# Allegro board RK3588_Template_LP4XD200P232SD10_32R6X52R0_2133MHz_H0R80_V10_20230220.brd (continued)
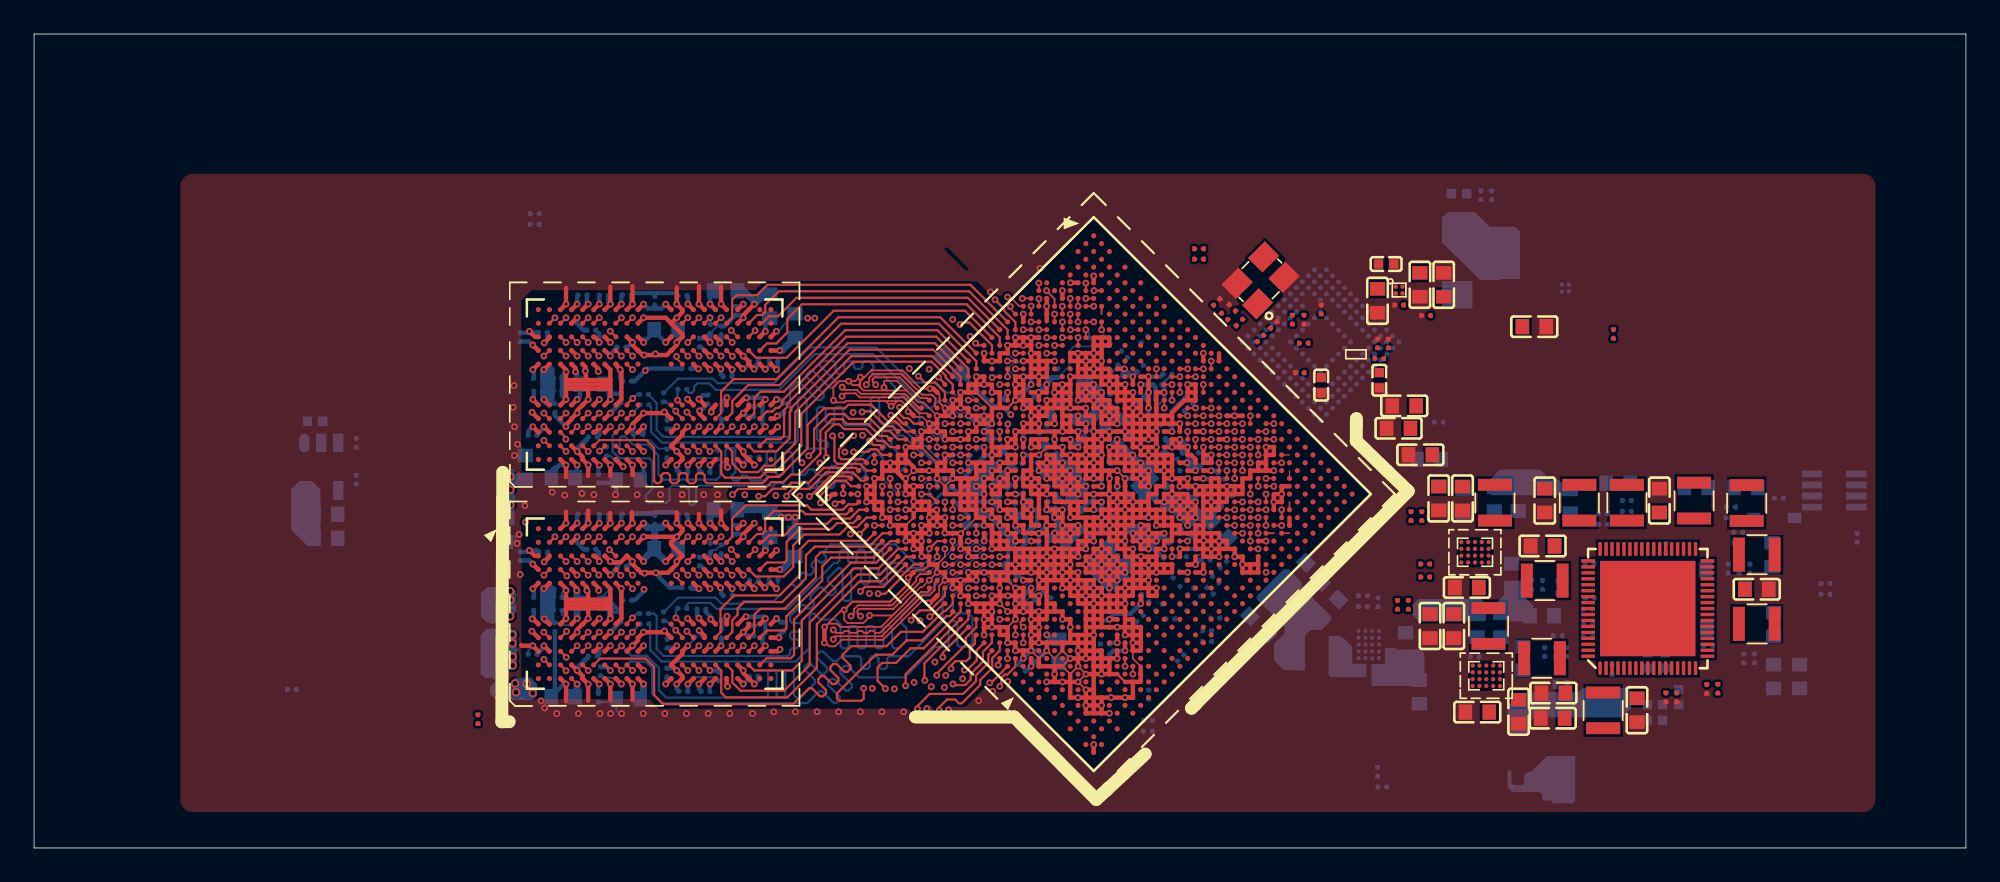
[diagram p0: board, top side]
## Routing (per net, layer and track width the routed paths; a pad name or vN(x,y) marks a point on that pad's centre or on a via; arc(x,y) is an arc through that point) (continued)
  L4-S1 w0.254: v1(57.14,12.05) 56.68,12.05 56.67,12.05
  L5-GND2 w0.089: v1(58.97,27.67) 58.97,28.59 v1(58.51,29.05)
  L5-GND2 w0.254: 56.26,8.76 v1(56.26,9.2)
  L6-S2 w0.084: v1(33.21,7.89) 32.83,7.5 31.03,7.5 30.67,7.86 v1(30.67,7.89)
  L6-S2 w0.089: 50.81,18.94 50.87,18.94 50.97,19.04 ; 50.81,18.94 50.81,18.85 ; 50.81,18.94 v1(50.24,18.94) 50.24,18.45 ; 50.94,11.54 51.7,11.54 ; 56.04,15.63 56.12,15.54 56.12,14.71 ; 56.04,15.63 55.66,15.63 U1000.T3 v1(54.84,14.35) 54.84,14.05 54.63,13.84 54.63,13.7 54.58,13.65 54.37,13.65 54.16,13.44 54.16,13.23 53.12,12.2 51.07,12.2 ; 56.04,15.63 56.32,15.63 56.62,15.32 ; v1(51.16,23.54) 51.73,23.54 52.57,22.69 52.57,22.54 52.15,22.12 51.66,22.12 v1(51.62,22.16) ; 56.55,15.14 56.12,14.71 ; 56.55,15.14 56.55,14.47 v1(56.68,14.35) v1(57.14,13.89) v1(57.6,13.43) ; 56.55,15.14 v1(56.68,15.26) 56.62,15.32 ; 56.12,14.71 56.12,14.67 56.02,14.57 56.02,14.21 53.36,11.55 52.88,11.55 ; 52.88,11.55 52.87,11.54 52.81,11.54 ; 52.88,11.55 52.79,11.55 ; 53,19.86 53,19.85 52.95,19.8 ; 53,19.86 53,19.87 53.07,19.8 53.17,19.8 53.33,19.64 53.69,19.64 53.78,19.55 53.81,19.55 53.87,19.48 54.02,19.48 54.29,19.75 54.29,20.15 53.73,20.71 53.19,20.71 53.08,20.6 52.57,20.6 52.49,20.52 51.83,19.86 v1(51.63,19.86) 51.62,19.85 51.62,19.74 ; 53,19.86 52.98,19.86 v1(52.98,19.86) ; 52.8,19.65 52.95,19.8 ; 52.95,19.8 52.62,19.8 51.16,18.35 v1(51.16,18.02) ; 51.62,19.74 51.62,19.65 ; 51.62,19.74 51.66,19.7 51.62,19.65 ; 51.62,19.65 51.01,19.04 ; 50.97,19.04 51.01,19.04 ; 50.97,19.04 50.97,19 ; 50.24,18.45 49.83,18.04 49.26,18.04 ; 50.24,18.45 50.47,18.68 50.65,18.68 50.81,18.85 ; 58.41,13.1 58.41,12.81 57.96,12.36 57.93,12.36 57.75,12.18 57.75,12.15 57.65,12.05 v1(57.14,12.05) 56.82,12.05 56.19,11.42 56.19,10.43 55.05,9.29 ; 58.41,13.1 58.51,13 v1(58.51,12.51) v1(58.51,11.59) v1(58.05,11.13) ; 58.41,13.1 58.22,13.29 58.19,13.29 57.73,13.29 v1(57.6,13.43) ; v1(48.86,20.32) 49.24,20.32 49.38,20.46 50.38,20.46 50.4,20.48 50.4,20.48 50.57,20.65 51.03,20.65 v1(51.16,20.78) 51.16,20.65 51.15,20.64 51.15,20.26 50.6,19.71 50.57,19.71 50.39,19.53 50.39,19.5 50.29,19.4 v1(49.78,19.4) ; 50.81,18.85 50.97,19 ; 50.97,19 51.01,19.04 ; v1(55.76,25.38) 55.76,25.96 54.96,26.76 ; 49.26,18.04 49.17,18.04 ; 49.26,18.04 48.11,16.89 47.86,16.89 47.8,16.83 ; v1(57.6,13.43) 57.41,13.24 57.17,13.24 57.01,13.08 57,13.08 55.54,11.62 55.54,11.61 55.53,11.6 55.53,10.77 54.81,10.05 54.81,10.03 54.72,9.94 v1(54.5,9.94) 54.5,9.85 ; 56.62,15.32 56.62,16.29 56.77,16.43 56.77,16.65 57.07,16.96 57.07,17.26 56.69,17.64 56.29,17.64 v1(56.22,17.56) ; v1(54.38,26.76) 54.96,26.76 ; 54.96,26.76 54.96,26.86 52.82,29 49.17,29 ; 45,21 47.23,21 47.71,21.48 48.62,21.48 v1(48.86,21.24) 49.32,21.7 v1(49.32,21.7) ; v1(56.22,23.08) v1(57.14,24) v1(57.6,24.46) 57.6,24.46 v1(58.06,24.92) v1(58.06,25.84) v1(57.6,26.3) 57.54,26.35 56.62,26.35 v1(56.22,26.76) v1(55.76,27.22) v1(55.3,27.68) 55.08,27.68 53.82,28.93
  L6-S2 w0.094: 41.73,16.55 41.62,16.44 ; 41.62,16.44 v1(41.62,16.02) ; 41.62,16.44 41.62,16.45 40.22,16.45 40.04,16.62 40,16.66 40,17.29 40.84,18.13 41.47,18.13 v1(41.62,18.27) ; 54.7,32.4 56.16,30.93 56.16,30.26 56.23,30.2 56.86,29.57 57.08,29.57 v1(57.14,29.51) ; v1(41.62,28.89) 41.62,29.3 41.62,29.31 ; v1(51.62,22.16) 51.43,22.35 50.89,22.35 50.89,22.35 50.85,22.35 50.24,22.96 49.45,22.96 49.45,22.96 49.19,22.96 49.19,22.96 49.11,22.96 48.3,22.15 47.31,22.15 46.77,21.61 45.01,21.61 ; v1(56.22,28.59) 56.35,28.73 56.35,29.21 55.76,29.8 55.55,30 55.55,30.67 54.47,31.75 45.08,31.75 44.75,31.42 44.75,30.1 ; v1(49.78,19.4) 49.58,19.6 49.38,19.6 48.66,18.88 47.93,18.88 ; v1(43.57,17.47) 43.63,17.47 43.74,17.58 ; v1(51.16,18.02) 51,18.18 50.9,18.08 50.72,18.08 50.32,17.68 50.08,17.43 49.95,17.43 49.95,17.43 ; 49.97,24.21 49.56,23.8 49.56,23.61 49.18,23.61 49.16,23.59 48.89,23.59 48.06,22.76 46.88,22.76 46.42,22.29 45.43,22.29 ; 47.29,19.53 48.45,19.53 48.86,19.94 v1(48.86,20.32) ; v1(51.16,23.54) 51.12,23.5 50.98,23.5 50.98,23.8 50.57,24.21
  L6-S2 w0.102: v1(36.76,20.75) 36.76,20.91 36.77,20.91 ; 41.35,30.87 41.27,30.79 40.78,30.79 40.55,30.56 40.55,29.9 40.61,29.84 40.61,29.43 40.73,29.31 41.62,29.31 ; 41.35,30.87 41.35,30.6 41.93,30.02 43.1,30.02 43.25,30.17 43.42,30.17 43.57,30.32 v1(43.57,30.34) 43.73,30.18 43.88,30.18 44.13,30.43 44.13,31.67 44.86,32.4 45.08,32.4 54.69,32.4 54.7,32.4 ; 41.35,30.87 v1(41.62,31.14) ; 55.05,9.29 54.26,8.5 51.49,8.5 51.03,8.05 v1(51.03,7.99) 50.9,8.13 49.9,8.13 v1(49.76,7.99) 49.63,8.13 48.63,8.13 v1(48.49,7.99) 48.36,8.13 47.36,8.13 v1(47.22,7.99) 47.11,8.11 46.07,8.11 v1(45.95,7.99) 45.82,8.12 44.81,8.12 v1(44.68,7.99) 44.55,8.12 43.54,8.12 v1(43.41,7.99) 43.28,8.12 42.9,8.12 42.83,8.05 42.82,8.05 42.61,7.84 42.23,7.84 v1(42.17,7.9) 42.16,7.89 v1(40.83,7.89) v1(39.56,7.89) ; v1(43.54,20.69) 43.54,20.97 43.57,21 ; 32.21,21.2 31.02,21.2 30.28,21.94 30.28,22.11 30.28,30.09 30.74,30.54 31.28,30.54 31.29,30.55 ; 32.21,21.2 32.16,21.15 v1(32.16,20.81) ; 32.21,21.2 32.7,21.2 32.91,20.99 32.91,20.9 32.86,20.84 v1(32.86,20.75) 33.02,20.91 34.15,20.91 ; 51.65,9.52 51.54,9.52 51.47,9.45 51.47,9.4 51.29,9.21 51.23,9.21 50.9,8.88 46.79,8.88 ; 51.65,9.52 v1(51.65,9.72) 51.65,10.41 52.79,11.55 ; 51.65,9.52 51.65,9.39 51.75,9.29 52.55,9.29 52.66,9.39 v1(52.66,9.47) 52.73,9.54 53.33,9.54 53.43,9.44 v1(53.43,9.43) 53.58,9.28 54.13,9.28 54.5,9.64 54.5,9.85 ; 40.73,9.28 40.7,9.31 v1(40.7,9.48) ; 40.73,9.28 36.96,9.28 36.74,9.5 36.74,10.84 36.17,11.41 35.07,11.41 35.06,11.43 33.05,11.43 32.87,11.6 32.87,11.73 32.87,12.02 32.87,12.02 32.66,12.24 32.32,12.24 31.88,12.67 v1(31.87,12.67) 31.48,12.28 31.48,11.66 32.34,10.8 35.62,10.8 35.77,10.65 v1(35.77,10.42) ; 40.73,9.28 41.92,9.28 42,9.35 ; 31.29,30.55 v1(31.87,31.14) ; 31.29,30.55 32.09,30.55 32.1,30.54 32.96,30.54 v1(33.82,29.69) 33.82,29.44 33.66,29.28 32.27,29.28 v1(31.87,28.89) 31.53,29.23 30.99,29.23 30.89,29.13 30.89,25.14 ; 49.95,17.43 49.63,17.43 48.32,16.12 47.88,16.12 47.88,16.12 47.57,16.12 45.4,13.96 45.39,13.96 45.33,13.89 41.65,13.89 41.47,13.71 41.47,12.83 v1(41.62,12.67) 41.67,12.63 41.67,12.34 41.96,12.05 41.96,11.64 41.85,11.53 40.8,11.53 40.64,11.69 40.64,12.08 40.83,12.27 40.83,13.32 40.67,13.48 v1(40.67,13.61) 40.83,13.61 40.83,13.98 41.46,14.61 45.19,14.61 47.31,16.73 47.63,16.73 47.63,16.73 47.71,16.73 47.8,16.83 ; 50.94,11.54 50.72,11.32 50.72,9.98 50.44,9.7 ; 46.79,8.88 46.79,9.02 47.8,10.03 47.94,10.03 48.31,9.66 48.52,9.66 48.56,9.69 48.82,9.69 48.86,9.66 49.16,9.66 ; 46.79,8.88 46.66,8.75 46.66,8.74 42.65,8.74 42.57,8.66 36.32,8.66 36.13,8.86 ; 36.13,8.86 31.45,8.86 30.91,9.4 30.91,16.21 31.04,16.35 33.35,16.35 v1(33.82,16.82) 33.51,17.14 32.74,17.14 32.2,17.68 31.28,17.68 ; 36.13,8.86 35.68,9.31 35.64,9.31 35.46,9.49 35.46,9.53 35.36,9.62 v1(35.12,9.62) ; 50.15,9.7 49.89,9.7 49.85,9.66 49.16,9.66 ; 50.15,9.7 50.44,9.7 50.44,9.7 ; 50.15,9.7 50.19,9.66 50.38,9.66 50.42,9.7 50.44,9.7 ; 36.18,21.63 36.09,21.71 36.09,23.06 35.86,23.29 v1(35.77,23.29) 35.39,23.66 32.42,23.66 32.04,23.29 v1(31.87,23.29) ; 36.18,21.63 36.28,21.52 41.99,21.52 42.08,21.61 44.58,21.61 44.58,21.61 45.01,21.61 ; 36.18,21.63 35.83,21.63 35.61,21.85 ; 51.07,12.2 49.01,12.2 46.16,9.35 42.55,9.35 ; v1(35.12,22.49) 35.12,22.34 35.61,21.85 ; 35.61,21.85 31.33,21.85 30.89,22.28 30.89,25.14 ; 49.16,9.66 49.2,9.62 v1(49.2,9.37) ; 42.55,9.35 v1(42.27,9.62) 42,9.35 ; 42.55,9.35 42,9.35 ; 31.28,17.68 30.74,17.68 30.29,17.24 30.29,8.95 31.35,7.89 v1(31.94,7.89) ; 31.28,17.68 v1(31.87,18.27) ; 30.89,25.14 32.98,25.14 33.06,25.05 33.3,25.05 33.49,24.87 33.49,24.49 33.7,24.28 35.94,24.28 35.94,24.28 36.24,24.28 36.48,24.28 36.73,24.03 36.73,23.96 36.75,23.94 36.75,22.27 36.88,22.14 41.74,22.14 41.82,22.22 42,22.22 v1(42.27,22.49) 42.27,22.57 42.42,22.72 42.42,23.52 42.68,23.79 44.69,23.79 44.91,23.57 44.91,22.78 v1(45.07,22.62) 45.4,22.29 45.43,22.29 ; 49.17,29 47.59,29 45.35,26.77 41.6,26.77 41.44,26.61 41.44,25.72 v1(41.62,25.54) 41.62,25.23 41.95,24.9 41.95,24.87 41.96,24.87 41.96,24.55 41.77,24.36 40.74,24.36 40.64,24.46 40.64,24.94 40.83,25.13 40.83,26.32 40.7,26.44 v1(40.66,26.44) 40.61,26.44 40.64,26.48 40.83,26.48 40.83,26.87 41.35,27.38 45.1,27.38 47.33,29.62 53.14,29.62 53.82,28.93 ; 34.15,20.91 34.13,20.88 v1(34.13,20.75) ; 34.15,20.91 35.36,20.91 ; 36.77,20.91 39.09,20.91 39.26,20.75 v1(39.3,20.75) v1(40.11,20.75) ; 36.77,20.91 35.36,20.91 ; v1(44.94,20.67) 44.94,20.74 44.83,20.85 44.83,20.99 44.84,21 ; 47.93,18.88 47.68,18.88 46.5,17.7 45.64,17.7 45.52,17.58 44.54,17.58 44.46,17.5 44.46,17.03 44.45,17.02 44.45,16.96 44.18,16.7 44.13,16.7 44.13,16.7 43.96,16.7 43.96,16.7 43.56,16.7 43.41,16.55 43.37,16.55 43.37,16.55 41.73,16.55 ; v1(43.57,17.47) 43.43,17.47 43.11,17.16 41.92,17.16 41.62,17.46 v1(41.62,18.27) ; 35.36,20.91 35.4,20.87 v1(35.4,20.75) ; 44.84,21 45,21 ; 44.84,21 43.57,21 ; 43.57,21 42.33,21 42.25,20.92 41.85,20.92 41.71,20.78 v1(41.71,20.74) ; 43.74,17.58 43.74,18.26 43.83,18.35 44.06,18.35 44.19,18.48 44.71,18.48 44.84,18.35 46.06,18.35 47.24,19.53 47.29,19.53 ; 44.75,30.1 44.22,29.57 44.22,29.57 44.2,29.56 43.51,29.56 43.35,29.4 43.35,29.4 43.33,29.38 41.71,29.38 41.7,29.39 41.62,29.3 ; 51.7,11.54 52.81,11.54
  BOTTOM w0.084: C3806.2 34.44,13.81 34.37,13.88 33.91,13.88 ; v1(28.47,18.41) 28.33,18.41 28.23,18.31 28.23,17.97 28.22,17.97 C3801.2 ; C3857.2 36.43,32.58 36.43,32.58 ; v1(28.38,23.71) 28.82,23.26 C3846.2 v1(28.19,23.04) ; C3812.2 36.43,19.72 ; 33.47,14.36 33.56,14.46 33.79,14.46 33.89,14.36
  BOTTOM w0.089: v1(54.84,25.38) 54.65,25.38 54.59,25.32 54.16,25.32 54.11,25.38 53.92,25.38 v1(53.92,25.38) ; 66.32,26.35 65.89,25.92 ; 66.32,26.35 66.32,26.3 ; 66.32,26.35 C3966.2 66.32,26.35 66.32,26.24 ; v1(57.6,15.27) U1000.W7 58.38,15.59 58.44,15.59 58.56,15.72 ; v1(53.46,19.4) 53.27,19.4 53.21,19.46 52.79,19.46 52.73,19.4 v1(52.54,19.4) ; v1(60.81,11.13) 60.53,10.84 C3934.2 ; v1(64.03,12.51) 64.73,13.21 C3974.2 ; v1(51.16,20.78) 51.03,20.92 50.57,20.92 49.78,21.7 v1(49.32,21.7) ; 57.99,14.28 58.65,14.94 58.85,15.14 58.85,15.6 v1(58.97,15.73) ; v1(54.38,17.56) 54.47,17.66 54.93,17.66 55.14,17.87 55.15,17.87 55.16,17.89 55.43,17.89 55.62,17.7 55.7,17.7 55.76,17.64 55.76,17.51 55.68,17.43 55.62,17.43 55.39,17.2 54.93,17.2 v1(54.84,17.1) ; v1(57.14,29.51) 57.14,29.05 57.59,28.59 v1(58.05,28.59) 57.96,28.5 57.51,28.5 57.2,28.2 57.2,28.07 57.46,27.81 57.46,27.74 57.63,27.57 ; 68.19,17.19 68.21,17.21 68.41,17.21 68.46,17.26 ; 68.04,18.64 67.88,18.64 67.8,18.56 67.68,18.56 67.68,18.56 ; 56.3,23.97 56.23,23.97 56.22,23.99 ; v1(53,21.7) 52.91,21.61 52.53,21.61 52.49,21.56 52.41,21.56 52.16,21.32 52.1,21.32 ; C3964.2 66.78,27.83 66.79,27.82 ; v1(56.22,24.92) 56.22,24.92 v1(55.76,25.38) 55.76,25.85 54.76,26.85 54.47,26.85 v1(54.38,26.76) ; v1(54.38,24) v1(53.46,24) ; C1200.2 56.02,15.92 v1(55.76,16.18)
  BOTTOM w0.102: C3806.2 33.98,13.81 33.82,13.97 ; 30.35,22.01 30.35,22.21 30.59,22.44 31.17,22.44 v1(31.22,22.49) ; C3822.2 40.97,14.83 v1(40.97,15.22) ; C3823.2 37.16,12.59 v1(37,12.74) ; C3854.2 37.72,30.36 v1(37.72,29.69) ; C3875.2 42.27,28.35 42.27,28.12 v1(42.26,28.12) ; C3833.2 43.65,15.3 v1(43.57,15.22) ; v1(33.82,26.34) 33.64,26.51 33.64,26.76 33.64,26.76 33.64,26.91 33.64,26.91 33.64,27.01 ; v1(31.87,10.42) 32.51,11.07 32.54,11.07 32.55,11.07 C3842.2 ; v1(60.81,19.4) 60.81,19.87 60.77,19.92 60.69,19.92 60.68,19.92 60.68,20 60.22,20.46 ; 33.82,15.22 33.42,14.83 C3824.2 ; 30.57,21.96 C3871.2 ; v1(39.67,16.82) 39.69,16.85 C3844.2 39.8,17.48 39.99,17.48 40.29,17.78 C3834.2 40.52,17.78 C3831.2 ; v1(37.72,23.29) 37.6,23.41 C3863.2 37.1,23.45 36.66,23.45 36.17,23.94 35.26,23.94 35.21,24 C3867.2 ; C3856.2 43.92,30.64 43.92,30.57 43.68,30.34 v1(43.57,30.34) ; v1(29.27,11.87) 29,11.61 C3835.2 ; v1(31.22,13.47) 30.98,13.72 C3838.2 ; v1(40.66,26.44) 40.61,26.44 40.61,26.41 40.35,26.15 40.35,26.12 ; C3818.2 35.15,19.72 36.43,19.72 ; C3879.2 40.1,30.65 C3888.2 ; 37.78,22.14 37.78,22.25 37.72,22.31 ; C3803.2 38.79,12.29 v1(38.37,11.87) ; v1(34.48,7.89) 34.37,7.89 34.17,8.09 C3810.2 33.98,8.57 C3802.2 ; v1(31.87,23.29) 32.55,23.96 C3884.2 ; C3841.2 30.98,14.98 31.12,15.12 v1(31.22,15.12) ; v1(34.13,20.75) 34.13,20.81 34.17,20.86 ; v1(42.27,15.22) 42.27,15.48 C3836.2 ; v1(43.57,17.47) 43.62,17.47
  BOTTOM w0.152: 66.79,27.82 66.21,27.23 66.21,27.2 C3967.2
  BOTTOM w0.203: v1(61.27,24.46) 61.35,24.53 62.11,24.53 v1(62.19,24.46)
  BOTTOM w0.254: v1(40.97,28.09) 40.96,28.08 C3860.2 ; 57.2,19.83 56.71,19.83 v1(56.68,19.86) v1(56.22,20.32) ; 57.2,19.83 C1218.2 ; 57.2,19.83 57.42,19.61 57.83,19.61 ; 53.98,20.4 C1212.2 54.4,19.98 C1205.2 54.83,19.53 54.83,19.06 54.71,18.94 ; C3864.2 43.77,26.34 v1(43.57,26.34) ; 54.71,18.94 C1207.2 ; 54.71,18.94 v1(55.76,18.94) 56.08,18.94 C1216.2 56.26,18.76 56.26,18.09 C1208.2 ; 55.83,23.08 55.3,22.54 ; 55.83,23.08 v1(56.22,23.08) ; 55.83,23.08 C1201.2 ; 55.3,22.54 54.87,22.11 ; 55.3,22.54 C1204.2 ; 55.3,22.54 55.22,22.62 v1(54.84,22.62) ; v1(29.27,24.74) 29,24.47 C3887.2 ; C1220.2 57.6,19.2 v1(57.6,18.94) 57.6,18.79 C1229.2 ; C1220.2 57.83,19.61 ; C1220.2 57.83,19.61 ; v1(35.12,16.82) 34.84,16.54 C3805.2 ; v1(36.5,16.16) 36.72,15.94 36.72,15.87 ; 54.87,22.11 54.84,22.14 v1(54.84,22.62) ; 54.87,22.11 54.87,22.09 ; C3847.2 33.98,26.67 33.82,26.83 ; v1(57.59,16.65) 58.3,16.65 C1226.2 ; C1223.2 59.43,19.26 v1(59.43,18.94) v1(58.97,18.48) 58.97,17.52 C3929.2 ; v1(33.82,31.94) 33.69,32.07 C3849.2 ; C3886.2 30.57,25.39 v1(31.22,24.74) ; C3827.2 32.25,17.54 31.87,17.92 v1(31.87,18.27) ; v1(54.84,25.38) 55.3,24.92 v1(55.3,24.92) v1(55.76,25.38) v1(56.22,24.92) v1(55.76,24.46) 55.79,24.46 56.22,24.03 56.22,23.99 56.29,23.99 ; 36.72,15.87 36.5,16.09 36.5,16.08 ; 36.72,15.87 37.3,15.29 C3816.2 ; v1(43.57,28.09) 43.65,28.16 C3880.2 ; v1(37.72,16.82) 37.79,16.9 C3811.2 ; C3883.2 42.02,25.94 v1(41.62,25.54) 41.83,25.33 C3878.2 ; 54.87,22.09 54.87,22.07 54.46,21.66 54.43,21.66 ; 54.87,22.09 C1202.2 ; C3820.2 38.92,13.6 v1(39.02,13.5) ; v1(43.57,13.47) 43.8,13.25 C3814.2 ; v1(54.84,22.62) 54.84,22.95 54.93,23.05 C1219.2 ; C3808.2 39.43,17.07 v1(39.67,16.82) 39.67,17.35 C3844.2 ; C3858.2 28.98,30.25 v1(29.07,30.34) 29.14,30.27 C3877.2 ; C3831.2 41.46,18.43 v1(41.62,18.27) ; C3914.2 62.88,24.69 v1(63.11,24.46) v1(64.03,24.46) 64.4,24.09 C3916.2 ; v1(53.92,25.38) v1(53.46,25.84) ; 54.43,21.66 C1203.2 ; 54.43,21.66 54.42,21.66 54.38,21.7 v1(53.92,21.7) 53.59,21.7 C1209.2 ; C3848.2 33.98,21.43 C3855.2 34.17,20.79 v1(34.13,20.75) ; C3872.2 32.25,30.4 31.87,30.78 v1(31.87,31.14) ; v1(52.54,24.92) v1(53,24.46) v1(53.46,24) ; v1(37.72,29.69) 37.79,29.76 C3854.2 ; v1(37,25.61) 37.16,25.45 C3866.2 ; C3861.2 35.99,28.15 v1(35.88,28.04) 35.25,27.41 C3868.2 ; C1210.2 56.72,17.56 v1(56.22,17.56) 56.22,17.92 56.31,18.01 56.26,18.06 ; v1(64.49,20.32) 64.15,20.66 C3963.2 64.03,20.95 v1(64.03,21.7) 64.37,21.7 C3939.2 ; v1(41.62,31.14) 41.46,31.3 C3881.2 40.52,30.65 C3879.2 ; C3955.2 68.74,20.32 v1(69.09,20.32) 69.09,20.65 C3952.2 ; v1(35.8,15.19) 35.8,15.09 35.25,14.55 C3815.2 ; C3867.2 35.12,24.37 v1(35.12,24.74) ; v1(31.87,23.29) 31.87,23.46 C3884.2 ; C3832.2 29.53,17.47 v1(29.07,17.47) 28.98,17.38 C3813.2 ; v1(31.87,10.42) 31.87,10.59 C3842.2 ; v1(42.26,28.12) 42.5,28.36 C3875.2 ; C3885.2 32.44,32.01 v1(32.52,31.94) ; 59.99,20.77 C3908.2 59.99,20.69 60.22,20.46 ; v1(33.82,19.07) 33.69,19.2 C3807.2 ; C1211.2 53,21.22 v1(53,21.7) 53.37,21.7 53.46,21.6 ; v1(39.02,26.36) 39.25,26.59 C3853.2 ; v1(35.12,19.07) 35.04,19.15 C3818.2 36.33,19.61 36.43,19.72 37.65,19.72 C3819.2 37.8,19.16 v1(37.72,19.07) ; C3839.2 40.35,13.29 v1(40.67,13.61) ; v1(56.22,20.32) 56.22,20.33 56.54,20.65 56.51,20.68 C1227.2 ; v1(56.22,20.32) 55.61,20.32 C1206.2 ; C3828.2 42.49,9.84 v1(42.27,9.62) ; C3852.2 34.84,29.41 v1(35.12,29.69) ; 30.67,22.32 30.83,22.49 v1(31.22,22.49) ; v1(39.67,29.69) 39.69,29.71 C3888.2 39.39,29.93 C3851.2 ; C3850.2 39.02,22.2 v1(39.02,22.49) ; C3804.2 39.02,9.33 v1(39.02,9.62) ; v1(35.12,31.94) 35.04,32.02 C3859.2 35.15,32.58 37.65,32.58 C3862.2 37.72,32.35 v1(37.72,31.94) ; C3817.2 37.6,10.55 v1(37.72,10.42) ; v1(37.72,9.62) 37.72,9.34 C3821.2 ; v1(37.72,22.49) 37.72,22.2 C3865.2 ; v1(32.52,19.07) 32.44,19.15 C3830.2 ; 62.07,20.33 61.91,20.33 C3902.2 ; 62.07,20.33 C3899.2 ; 62.07,20.33 62.09,20.33 62.18,20.42 v1(62.18,20.78) 62.19,20.78 v1(63.11,20.78) ; 30.57,9.09 C3829.2 ; 30.57,9.09 31.1,9.62 v1(31.22,9.62) ; 30.57,9.09 C3826.2 ; 33.82,15.22 33.82,14.76 C3824.2 33.89,14.36 C3806.2 ; v1(40.66,26.44) 40.35,26.12 C3882.2 ; v1(31.22,26.34) 30.98,26.58 C3876.2 C3874.2 30.98,27.71 v1(31.22,27.95) ; 66.21,27.2 66.33,27.08 v1(66.33,26.76) 66.33,26.35 C3966.2 ; 33.82,26.83 v1(33.82,26.34) ; 33.82,26.83 C3870.2 ; C3837.2 41.83,12.46 v1(41.62,12.67) 42.02,13.08 C3840.2 ; 57.82,10.76 57.82,10.9 v1(58.05,11.13) v1(58.51,11.59) 58.89,11.59 C3962.2 59.43,11.58 v1(59.43,11.59)
  BOTTOM w0.406: C3809.2 44.66,19.4 v1(44.68,19.42) 44.28,19.42 v1(44.28,19.42) 43.86,19.42 v1(43.85,19.42) 43.62,19.66 C3825.2 42.97,19.86 C3800.2 ; C3869.2 42.85,32.52 v1(42.27,31.94) 42.27,32.09 41.64,32.72 C3845.2 ; 30.57,22.22 30.35,22.01 C3871.2 ; C3824.2 33.82,13.97 v1(33.82,13.47)
  vias: v1(28.11,25.88) v1(28.16,27.15) v1(28.2,24.73) v1(28.35,17.89) v1(28.53,16.06) v1(28.81,20.1) v1(29.76,8.63) v1(29.97,8.22) v1(30.41,20.89) v1(31.14,20.72) v1(33.83,7.89) v1(35.75,7.89) v1(37.02,7.89) v1(38.03,20.75) v1(38.29,7.89) v1(45.4,31.11) v1(45.82,31.11) v1(46.12,22.6) v1(47.37,24.24) v1(47.59,23.25) v1(47.91,18.43) v1(48.07,25.58) v1(48.62,24.23) v1(49.03,14.94) v1(50.49,9.34) v1(51.37,28.15) v1(51.99,13.34) v1(52.39,8.18) v1(52.53,28.11) v1(52.87,10.92) v1(53.51,10.13) v1(53.67,8.11) v1(53.91,31.04) v1(54.93,30.04) v1(55.44,8.65) v1(56.13,32.65) v1(57.14,9.78) v1(59.04,34.04) v1(65.42,16.61) v1(68.65,18.05)
